# Altium PCB RUMBA_plus.PcbDoc (part 3 of 3)
Units mm, origin at the board's own origin, x right, y up, seen from the top; angles counter-clockwise.
Board outline 135 x 75 mm, 2 copper layers (Top Layer, Bottom Layer), stack 1.581 mm thick; 207 components, 187 nets, 895 pads, 260 vias.
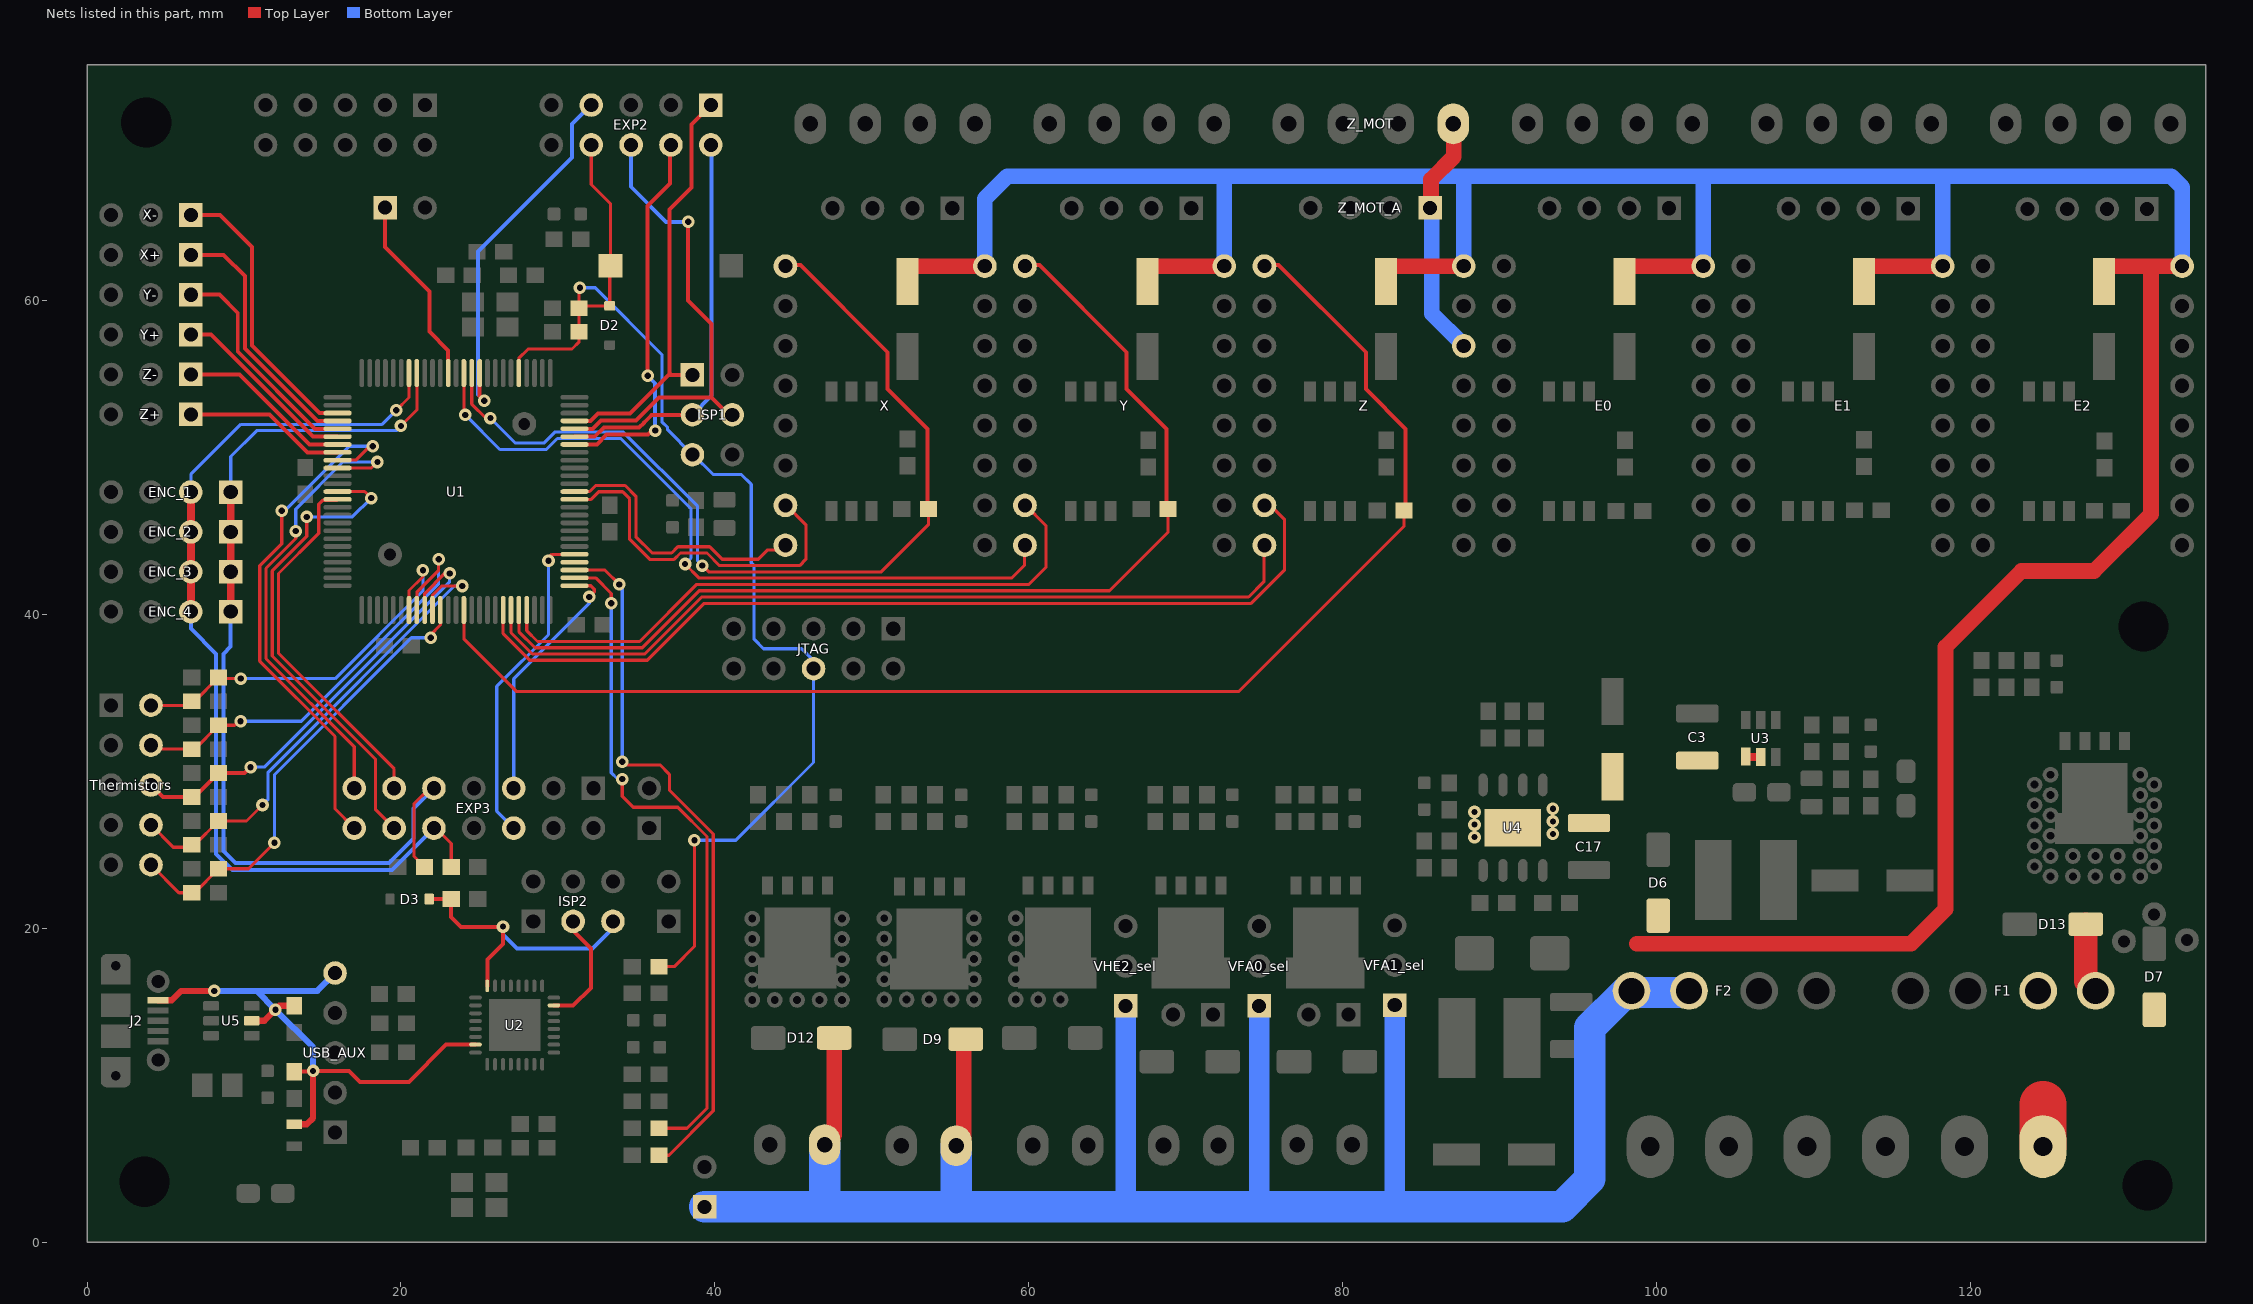
[diagram p3: the nets of this part, all layers, seen from the top]

## Via types
v1: diameter 0.8, hole 0.4, Top Layer to Bottom Layer, tented both sides, 227 vias
v2: diameter 0.7, hole 0.35, Top Layer to Bottom Layer, tented both sides, 31 vias
v3: diameter 1, hole 0.5, Top Layer to Bottom Layer, tented both sides, 1 vias
v4: diameter 1.4, hole 0.75, Top Layer to Bottom Layer, 1 vias

## Nets (pads, with @x,y where several pads share a name; then routed paths per layer and width w, separated by ;. In a path a pad name is that pad's centre, name@x,y a point inside that pad or via, vN(x,y) a via of type N, cw(c..) or ccw(c..) an arc to the next point about the centre after c; other vN are vias at no path point) (continued)
NetZ_14: Z.14 Z_MOT.4 Z_MOT_A.1 | length 15.5
  Top Layer w1: Z_MOT_A.1@85.626,65.87 85.626,67.699 87.081,69.154 Z_MOT.4@87.081,71.244
  Bottom Layer w1: Z_MOT_A.1@85.682,65.895 85.682,59.162 Z.14@87.679,57.165
PB1_(SCK): EXP2.2 ISP1.3 U1.20 | length 25.8
  Top Layer w0.254: U1.20@31.06,51.317 32.347,51.317 32.922,51.892 35.176,51.892 35.473,52.189 35.473,52.201 35.978,52.706 ISP1.3@38.571,52.706
  Bottom Layer w0.254: ISP1.3@38.571,52.706 39.8,53.936 39.8,69.847 EXP2.2@39.743,69.904
PB2_(MOSI): EXP2.6 ISP1.4 U1.21 | length 30.4
  Top Layer w0.254: U1.21@31.06,51.817 32.205,51.817 32.734,52.346 34.988,52.346 35.019,52.377 35.019,52.389 36.43,53.8 39.8,53.8 ; v1(38.3,65) 38.3,60 39.8,58.5 39.8,53.8 ; ISP1.4@41.111,52.706 40.894,52.706 39.8,53.8
  Bottom Layer w0.254: EXP2.6@34.663,69.904 34.663,67.237 36.9,65 v1(38.3,65)
PB3_(MISO): EXP2.1 ISP1.1 U1.22 | length 27.1
  Top Layer w0.254: U1.22@31.06,52.317 32.063,52.317 32.546,52.8 34.6,52.8 37.046,55.246 37.234,55.246 ; ISP1.1@38.571,55.246 37.234,55.246 ; EXP2.1@39.743,72.444 38.5,71.201 38.5,67.2 37.1,65.8 37.1,55.38 37.234,55.246
PC6: EXP3.14 U1.59 | length 33.7
  Top Layer w0.2: v1(12.4,46.6) 12.4,44.491 11,43.091 11,37.009 15.795,32.214 15.795,27.6 EXP3.14@17.022,26.373 ; U1.59@15.96,49.817 17.117,49.817 18,50.7 v1(18.2,50.7)
  Bottom Layer w0.2: v1(12.4,46.6) 12.4,46.4 16.7,50.7 v1(18.2,50.7)
PC7: EXP3.13 U1.60 | length 30
  Top Layer w0.2: v1(13.3,45.3) 13.3,44.825 11.4,42.925 11.4,37.175 17.022,31.553 EXP3.13@17.022,28.913 ; U1.60@15.96,49.317 18.117,49.317 v1(18.5,49.7)
  Bottom Layer w0.2: v1(13.3,45.3) 13.3,46.7 16.3,49.7 v1(18.5,49.7)
PJ0: EXP3.12 U1.63 | length 30.9
  Top Layer w0.2: v1(14,46.2) 14,44.96 11.8,42.76 11.8,37.34 18.368,30.772 18.368,27.567 EXP3.12@19.562,26.373 ; U1.63@15.96,47.817 17.683,47.817 v1(18.1,47.4)
  Bottom Layer w0.2: v1(14,46.2) 16.9,46.2 v1(18.1,47.4)
PJ1: EXP3.11 U1.64 | length 23.5
  Top Layer w0.2: U1.64@15.96,47.317 15.91,47.267 15.024,47.267 14.76,47.003 14.76,45.154 12.2,42.594 12.2,37.506 19.562,30.144 EXP3.11@19.562,28.913
PS_ON: PS_ON.1 U1.39 | length 12.2
  Top Layer w0.254: PS_ON.1@18.991,65.904 18.991,63.409 21.826,60.574 21.826,58 23.01,56.816 U1.39@23.01,55.367
PWM_1: EXP3.5 U1.1 | length 16.2
  Top Layer w0.2: U1.1@31.06,41.817 32.093,41.817 32.317,41.594 32.317,41.417 v1(32,41.1)
  Bottom Layer w0.2: EXP3.5@27.182,28.913 27.182,35.882 32,40.7 v1(32,41.1)
PWM_2: EXP3.6 U1.5 | length 20.8
  Top Layer w0.2: v1(29.4,43.4) 29.4,43.6 29.617,43.817 U1.5@31.06,43.817
  Bottom Layer w0.2: EXP3.6@27.182,26.373 26.1,27.455 26.1,35.4 29.4,38.7 v1(29.4,43.4)
RESET: C8.2 C16.1 D2.A EXP2.8 ISP1.5 JTAG.6 R11.1 Reset.2 U1.30 | length 80.4
  Top Layer w0.2: U1.30@27.51,55.367 27.51,56.31 28.1,56.9 30.9,56.9 31.35,57.35 R11.1@31.35,58 C8.2@31.35,59.5 ; v1(31.4,60.8) 31.35,60.75 C8.2@31.35,59.5 ; EXP2.8@32.123,69.904 32.123,67.377 33.35,66.15 Reset.2@33.35,62.2 33.3,62.15 D2.A@33.3,59.65 31.5,59.65 C8.2@31.35,59.5 ; C16.1@36.45,17.546 37.411,17.546 38.7,18.835 v1(38.7,25.6)
  Bottom Layer w0.2: v1(31.4,60.8) 32.379,60.8 36.627,56.552 36.627,52.263 36.99,51.9 36.99,51.747 ISP1.5@38.571,50.166 38.634,50.166 39.9,48.9 41.688,48.9 42.317,48.271 42.317,43.269 42.5,43.086 42.5,38.4 43.1,37.8 45.527,37.8 JTAG.6@46.794,36.533 ; v1(38.7,25.6) 41.333,25.6 46.286,30.554 JTAG.6@46.286,36.533
RESET2: D3.A ISP2.5 R12.1 U2.24 | length 19.2
  Top Layer w0.254: D3.A@21.8,21.85 R12.1@23.2,21.85 23.2,20.7 23.824,20.076 26.476,20.076 v1(26.5,20.1) 26.5,19 25.5,18 25.5,16.326 U2.24@25.498,16.324
  Bottom Layer w0.254: v1(26.5,20.1) 26.5,19.6 27.4,18.7 32.2,18.7 33.506,20.006 ISP2.5@33.506,20.429
SCK2: ISP2.3 U2.15 | length 7.5
  Top Layer w0.254: U2.15@29.748,15.074 30.974,15.074 32.1,16.2 32.1,18.711 30.966,19.845 ISP2.3@30.966,20.429
SCL: ENC_1.1 ENC_2.1 ENC_3.1 ENC_4.1 EXP3.9 R3.1 U1.43 | length 63.6
  Top Layer w0.2: v1(20,52) 21.01,53.01 U1.43@21.01,55.367 ; R3.1@21.504,23.909 20.832,24.581 20.832,27.922 21.822,28.913 EXP3.9@22.102,28.913
  Top Layer w0.5: ENC_4.1@9.152,40.165 ENC_3.1@9.152,42.705 ENC_2.1@9.152,45.245 ENC_1.1@9.152,47.785
  Bottom Layer w0.2: ENC_1.1@9.152,47.785 9.152,50.052 10.8,51.7 19.7,51.7 v1(20,52) ; EXP3.9@22.102,28.862 EXP3.9@22.102,28.913
  Bottom Layer w0.254: ENC_4.1@9.152,40.165 9.152,37.952 8.681,37.481 8.681,24.919 9.446,24.154 19.241,24.154 20.8,25.713 20.8,27.611 EXP3.9@22.102,28.913
SD_CSEL: EXP2.4 U1.19 | length 24.5
  Top Layer w0.254: U1.19@31.06,50.817 32.489,50.817 33.11,51.438 35.744,51.438 36.006,51.7 v1(36.2,51.7) ; v1(35.716,55.2) 35.716,66.016 37.142,67.442 37.142,69.844 EXP2.4@37.203,69.904
  Bottom Layer w0.254: v1(35.716,55.2) 36.2,54.716 v1(36.2,51.7)
SD_DET: EXP2.7 U1.35 | length 23.6
  Top Layer w0.254: U1.35@25.01,54.9 25.01,53.89 v1(25.3,53.6) v1@25.1,53.6
  Bottom Layer w0.254: v1(25.3,53.6) 24.9,54 24.9,63.1 30.9,69.1 30.9,71.221 EXP2.7@32.123,72.444
SDA: ENC_1.2 ENC_2.2 ENC_3.2 ENC_4.2 EXP3.10 R2.1 U1.44 | length 61
  Top Layer w0.2: v1(19.7,53) 20.51,53.81 U1.44@20.51,55.367 ; EXP3.10@22.102,26.373 22.229,26.373 23.208,25.394 R2.1@23.208,23.909
  Top Layer w0.5: ENC_4.2@6.612,40.165 ENC_3.2@6.612,42.705 ENC_2.2@6.612,45.245 ENC_1.2@6.612,47.785
  Bottom Layer w0.2: ENC_1.2@6.612,47.785 6.612,48.912 9.8,52.1 18.8,52.1 v1(19.7,53) ; EXP3.10@21.827,26.373 EXP3.10@22.102,26.373
  Bottom Layer w0.254: ENC_4.2@6.612,40.165 6.612,39.088 8.227,37.473 8.227,24.731 9.258,23.7 19.429,23.7 EXP3.10@22.102,26.373
THERM0: C29.1 R43.2 Thermistors.2 U1.82 | length 24.4
  Top Layer w0.2: Thermistors.2@4.072,34.196 6.168,34.196 C29.1@6.422,34.45 ; C29.1@6.676,34.45 6.852,34.45 R43.2@8.376,35.974 8.45,35.9 v1(9.8,35.9) ; U1.82@20.5,40.277 U1.82@20.51,40.267 20.51,41.51 21.4,42.4 v1(21.4,42.8)
  Bottom Layer w0.2: v1(9.8,35.9) 15.803,35.9 21.4,41.497 v1(21.4,42.8)
THERM1: C28.1 R42.2 Thermistors.4 U1.83 | length 28.5
  Top Layer w0.2: Thermistors.4@4.072,31.656 4.326,31.402 C28.1@6.676,31.402 6.852,31.402 R42.2@8.376,32.926 9.399,32.926 9.653,33.18 v1(9.78,33.18) ; U1.83@21.01,40.267 21.01,41.41 22.4,42.8 v1(22.4,43.5)
  Bottom Layer w0.2: v1@10.004,33.404 v1(9.78,33.18) 13.649,33.18 22.4,41.931 v1(22.4,43.5)
THERM2: C27.1 R41.2 Thermistors.6 U1.84 | length 28.7
  Top Layer w0.2: U1.84@21.51,40.267 21.51,41.31 22.8,42.6 v1(23.1,42.6)
  Top Layer w0.254: Thermistors.6@4.072,29.116 4.834,28.354 C27.1@6.422,28.354 ; C27.1@6.676,28.354 6.852,28.354 R41.2@8.376,29.878 10.034,29.878 v1(10.415,30.259)
  Bottom Layer w0.2: v1(10.415,30.259) 11.293,30.259 23.1,42.066 v1(23.1,42.6)
  Bottom Layer w0.254: v1(10.415,30.259) v1@10.542,30.386
THERM3: C26.1 R40.2 Thermistors.8 U1.85 | length 31.1
  Top Layer w0.2: Thermistors.8@4.072,26.576 5.494,25.154 6.27,25.154 C26.1@6.422,25.306 ; C26.1@6.676,25.306 6.852,25.306 R40.2@8.376,26.83 10.161,26.83 v1(11.177,27.846) ; U1.85@22.01,40.267 22.01,41.21 22.6,41.8 v1(23.9,41.8)
  Bottom Layer w0.2: v1(11.177,27.846) 11.539,28.208 11.539,29.939 23.4,41.8 v1(23.9,41.8)
THERM4: C9.1 R54.2 Thermistors.10 U1.86 | length 29.6
  Top Layer w0.2: Thermistors.10@4.072,24.036 5.85,22.258 C9.1@6.422,22.258 ; C9.1@6.676,22.258 6.852,22.258 R54.2@8.376,23.782 10.288,23.782 v1(11.939,25.433) ; v1(21.9,38.5) 21.9,38.7 22.51,39.31 U1.86@22.51,40.267
  Bottom Layer w0.2: v1(11.939,25.433) 11.939,29.773 20.666,38.5 v1(21.9,38.5)
"USB RXD": R18.2 U1.2 | length 43.5
  Top Layer w0.2: U1.2@31.06,42.317 32.4,42.317 33.4,41.317 v1(33.4,40.7) ; v1(34.1,29.5) 34.1,28.4 34.8,27.7 37.634,27.7 39.5,25.834 39.5,8.523 38.228,7.251 R18.2@36.434,7.251
  Bottom Layer w0.2: v1(33.4,40.7) 33.4,29.9 33.8,29.5 v1(34.1,29.5)
USB_TXD: R17.2 U1.3 | length 45.2
  Top Layer w0.2: U1.3@31.06,42.817 32.983,42.817 v1(33.9,41.9) ; v1(34.1,30.6) 34.3,30.4 36.5,30.4 37.1,29.8 37.1,28.8 39.9,26 39.9,8.357 37.074,5.531 R17.2@36.434,5.531
  Bottom Layer w0.2: v1(33.9,41.9) 34.1,41.7 v1(34.1,30.6)
USB_XCK: U1.4
USBVCC: C11.2 F3.1 J2.VBUS R4.2 U2.31 U5.5 USB_AUX.5 | length 39.1
  Top Layer w0.254: R4.2@13.2,10.85 14.35,10.85 v1(14.4,10.9) 16.7,10.9 17.4,10.2 20.5,10.2 22.874,12.574 U2.31@24.748,12.574
  Top Layer w0.4: J2.VBUS@4.525,15.4 5.4,15.4 6,16 v1(8.1,16) ; U5.5@10.4,14.1 U5.5@10.5,14.1 11.3,14.1 v1(12,14.8) 12.25,15.05 C11.2@13.2,15.05 C11.2@13.3,15.05 ; F3.1@13.2,7.5 14,7.5 14.4,7.9 v1(14.4,10.9)
  Bottom Layer w0.4: v1(8.1,16) 10.8,16 ; v1(14.4,10.9) 14.4,12.4 v1(12,14.8) 10.8,16 ; USB_AUX.5@15.8,17.14 14.66,16 10.8,16
VIN1: C1.1 C3.2 C17.2 C21.1 C22.1 C23.1 C24.1 C25.1 C30.1 D6.K D9.K D12.K E0.16 E1.16 E2.16 F2.1 HE0.1 HE1.1 PWR.1 U3.4 U3.5 U4.9 VFA0_sel.1 VFA1_sel.1 VHE2_sel.1 X.16 Y.16 Z.16 | length 347.8
  Top Layer w0.5: U3.4@105.665,30.897 U3.5@106.636,30.897
  Top Layer w1: HE0.1@46.994,6.205 47.6,6.811 D12.K@47.6,13 ; C21.1@52.374,61.21 52.374,62.176 X.16@57.199,62.176 ; HE1.1@55.376,6.129 55.85,6.603 D9.K@55.85,13 ; C22.1@67.665,61.21 67.665,62.165 67.676,62.176 Y.16@72.439,62.176 ; C23.1@82.956,61.21 82.956,62.176 Z.16@87.679,62.176 ; U4.9@90.45,26.5 U4.9@90.55,26.4 ; C24.1@98.085,61.216 98.085,62.176 E0.16@102.911,62.176 ; 98.758,19 116.211,19 118.412,21.202 118.412,37.912 123.25,42.75 127.877,42.75 131.5,46.373 131.5,62.176 ; C25.1@113.325,61.216 113.325,62.176 E1.16@118.151,62.176 ; C30.1@128.665,61.216 128.665,62.176 131.5,62.176 ; E2.16@133.491,62.176 131.5,62.176
  Bottom Layer w1: X.16@57.199,62.176 57.199,66.47 58.631,67.902 72.5,67.902 ; Y.16@72.457,62.176 72.457,67.859 72.5,67.902 ; Z.16@87.716,62.176 87.716,67.802 87.815,67.902 ; E0.16@102.974,62.176 102.974,67.876 103,67.902 ; E1.16@118.232,62.176 118.232,67.869 118.2,67.902 ; 132.697,67.902 118.2,67.902 ; 132.797,67.902 133.491,67.208 E2.16@133.491,62.176 ; 72.5,67.902 87.815,67.902 ; 87.815,67.902 103,67.902 ; 103,67.902 118.2,67.902
  Bottom Layer w1.3: 66.171,2.344 VHE2_sel.1@66.171,15.044 ; 74.68,2.497 VFA0_sel.1@74.68,15.044 ; 83.316,2.25 VFA1_sel.1@83.316,15.095
  Bottom Layer w2: PWR.1@39.348,2.243 74.426,2.243 ; 46.994,2.878 HE0.1@46.994,6.205 ; 55.376,2.929 HE1.1@55.376,6.129 ; 74.68,2.497 74.426,2.243 ; 83.265,2.243 74.426,2.243 ; 83.316,2.25 93.986,2.25 95.75,4.014 95.75,13.65 98,15.9 F2.1@102.065,15.9
  other v1: 88.4,25.8 93.4,26 88.4,26.6 93.4,26.8 88.4,27.4 93.4,27.6
VIN2: D7.K D13.K F1.1 HB-OUT.2 | length 7.2
  Top Layer w1.5: D13.K@127.35,20.254 127.35,16.629 F1.1@127.975,16.004
  Top Layer w3: HB-OUT.2@124.616,6.078 124.616,8.757
X-DIR: U1.13 X.8 | length 17.8
  Top Layer w0.2: U1.13@31.06,47.817 32.017,47.817 32.4,48.2 34.286,48.2 34.97,47.516 34.97,44.94 36.01,43.9 37.244,43.9 37.644,44.3 39.665,44.3 40.465,43.5 42.766,43.5 43.366,44.1 44.135,44.1 X.8@44.499,44.465
X-EN: R21.2 U1.36 X.1 | length 60.3
  Top Layer w0.2: U1.36@24.51,55.367 24.51,53.39 25.4,52.5 v1(25.7,52.5) ; v1(39.2,43.1) 39.6,42.7 43.7,42.7 50.6,42.7 53.606,45.706 R21.2@53.606,46.708
  Top Layer w0.254: X.1@44.499,62.245 45.442,62.245 50.994,56.693 50.994,54.356 53.534,51.816 53.534,46.877 R21.2@53.31,46.653
  Bottom Layer w0.2: v1(25.7,52.5) 27.3,50.9 29.1,50.9 29.8,51.6 34.174,51.6 38.9,46.873 38.9,43.4 v1(39.2,43.1)
X-MAX: U1.54 X+.1 | length 16.4
  Top Layer w0.254: X+.1@6.612,62.898 8.702,62.898 10.054,61.546 10.054,56.93 14.667,52.317 U1.54@15.96,52.317
X-MIN: U1.53 X-.1 | length 18.3
  Top Layer w0.254: X-.1@6.612,65.438 8.462,65.438 10.508,63.392 10.508,57.118 14.809,52.817 U1.53@15.96,52.817
X-STEP: U1.12 X.7 | length 22.9
  Top Layer w0.2: U1.12@31.06,47.317 32.117,47.317 32.6,47.8 34.12,47.8 34.57,47.35 34.57,44.774 35.847,43.497 37.407,43.497 37.81,43.9 39.5,43.9 40.3,43.1 45.4,43.1 45.8,43.5 45.8,45.704 X.7@44.499,47.005
Y-DIR: U1.37 Y.8 | length 47.5
  Top Layer w0.2: U1.37@24.01,55.367 24.01,52.79 v1(24.1,52.7) ; v1(38.1,43.2) 39,42.3 58.9,42.3 59.739,43.139 Y.8@59.739,44.465
  Bottom Layer w0.2: v1(24.1,52.7) 26.3,50.5 29.266,50.5 29.966,51.2 34.008,51.2 38.475,46.733 38.475,43.575 v1(38.1,43.2)
Y-EN: R23.2 U1.96 Y.1 | length 67.7
  Top Layer w0.2: U1.96@27.51,40.267 27.51,38.893 28.536,37.867 35.37,37.867 39.003,41.5 65.147,41.5 68.871,45.224 R23.2@68.871,46.708
  Top Layer w0.254: Y.1@59.739,62.245 60.682,62.245 66.234,56.693 66.234,54.356 68.774,51.816 68.774,46.877 R23.2@68.55,46.653
Y-MAX: U1.56 Y+.1 | length 12
  Top Layer w0.254: Y+.1@6.612,57.818 7.882,57.818 14.383,51.317 U1.56@15.96,51.317
Y-MIN: U1.55 Y-.1 | length 14.3
  Top Layer w0.254: Y-.1@6.612,60.358 8.442,60.358 9.6,59.2 9.6,56.742 14.525,51.817 U1.55@15.96,51.817
Y-STEP: U1.97 Y.7 | length 41.3
  Top Layer w0.2: U1.97@28.06,40.217 U1.97@28.01,40.267 28.01,38.959 28.702,38.267 35.204,38.267 38.837,41.9 60.016,41.9 61.1,42.984 61.1,45.644 Y.7@59.739,47.005
Z-DIR: U1.95 Z.8 | length 54.3
  Top Layer w0.2: U1.95@27.01,40.267 27.01,38.827 28.37,37.467 35.536,37.467 39.169,41.1 74.011,41.1 74.979,42.068 Z.8@74.979,44.465
Z-EN: R25.2 U1.89 Z.1 | length 88.5
  Top Layer w0.2: U1.89@24.01,40.267 24.01,38.433 27.376,35.067 73.367,35.067 83.908,45.608 R25.2@83.908,46.606
  Top Layer w0.254: Z.1@74.979,62.245 75.922,62.245 81.474,56.693 81.474,54.356 84.014,51.816 84.014,46.877 R25.2@83.79,46.653
Z-MAX: U1.58 Z+.1 | length 10.4
  Top Layer w0.254: Z+.1@6.612,52.738 11.62,52.738 14.041,50.317 U1.58@15.96,50.317
Z-MIN: U1.57 Z-.1 | length 11.2
  Top Layer w0.254: Z-.1@6.612,55.278 9.722,55.278 14.183,50.817 U1.57@15.96,50.817
Z-STEP: U1.94 Z.7 | length 59.3
  Top Layer w0.2: U1.94@26.51,40.267 26.51,38.762 28.205,37.067 35.701,37.067 39.326,40.692 74.169,40.692 76.3,42.823 76.3,46.016 Z.7@75.312,47.005
  Top Layer w0.254: Z.7@74.979,47.005 Z.7@75.312,47.005
pads on no net: C2.0 C3.0 C17.0 C35.0 C36.0 D2.0 D3.0 D6.0 D7.0 D8.0 D9.0 D10.0 D11.0 D12.0 D13.0 D14.0 J2.4 J2.5 J2.6 J2.7 J2.ID JTAG.8 LD1.0 LD2.0 LD3.0 LD4.0 LD5.0 LD6.0 LD7.0 LD8.0 LD9.0 LD10.0 LED1.0 RX.0 sc1.0 sc2.0 sc3.0 sc4.0 TX.0 U1.8 U1.9 U1.14 U1.23 U1.27 U1.28 U1.29 U1.47 U1.48 U1.49 U1.65 U1.66 U1.67 U1.68 U1.69 U1.79 U2.5 U2.6 U2.7 U2.12 U2.14 U2.18 U2.19 U2.20 U2.21 U2.22 U2.23 U2.25 U2.26 U5.0 U5.4 U5.6

## Polygon pours and split planes (outlines as drawn)
NetD11_A on Bottom Layer "NETD11_A_L02_P1000" (solid, remove dead copper, pour order 1000): 83.011,3.2 74.858,3.2 74.858,21.471 83.011,21.471
NetD10_A on Bottom Layer "NETD10_A_L02_P1001" (solid, remove dead copper, pour order 1001): 74.502,3.2 66.349,3.2 66.349,21.471 74.502,21.471
VIN1 on Bottom Layer "VIN1_L02_P1006" (solid, remove dead copper, pour order 1006): 86.8,23 86.8,30.9 94.4,30.9 94.4,23
NetD13_A on Bottom Layer "Bottom Layer-No Net" (solid, remove dead copper, pour order 1009): 134.85,30.481 134.85,4.86 134.85,0 117.8,0 117.8,8.4 120.099,10.699 120.099,28.499 122.081,30.481
NetD14_A on Bottom Layer "NETD14_A_L02_P1011" (solid, remove dead copper, pour order 1011): 66.171,3.2 58.017,3.2 58.017,21.471 66.171,21.471
NetD9_A on Bottom Layer "NETD9_A_L02_P1012" (solid, pour order 1012): 57.763,3.3 49.534,3.3 49.534,21.471 57.763,21.471
NetD12_A on Bottom Layer "NETD12_A_L02_P1013" (solid, pour order 1013): 49.331,3.1 41.431,3.1 41.431,21.445 49.331,21.445
VIN1 on Bottom Layer "VIN1_L02_P1035" (solid, remove dead copper, pour order 1035): 86.8,25.2 86.8,30.9 94.4,30.9 94.4,23.358 94.042,23 89,23
GND on Bottom Layer "Bottom Layer-No Net" (solid, remove dead copper, pour order 1053): 0,75 135,75 135,0 0,0
VIN2 on Top Layer "Bottom Layer-GND" (solid, remove dead copper, pour order 1002): 123,17.7 123,3.374 129.048,3.374 129,4 130.89,7.112 130.89,7.239 132.668,7.239 134.065,5.842 134.192,5.715 135,5.715 135,18.2 123.5,18.2
NetF1_0 on Top Layer "NETF1_0_L01_P1003" (solid, pour order 1003): 112.9,3.374 112.9,18.2 120.7,18.2 121.2,17.7 121.2,14.2 116.4,9.4 116.4,3.374
NetD13_A on Top Layer "Bottom Layer-No Net" (solid, remove dead copper, pour order 1010): 134.85,30.481 134.85,15.621 128.873,15.621 128.604,16.313 123.397,16.313 123.397,3.374 116.626,3.374 116.611,9.289 116.611,29.351 117.741,30.481
NetD12_A on Top Layer "Bottom Layer-No Net" (solid, remove dead copper, pour order 1014): 48.947,7.805 41.431,7.805 41.431,21.445 48.947,21.445
NetD9_A on Top Layer "Bottom Layer-No Net" (solid, remove dead copper, pour order 1015): 57.335,7.805 49.9,7.805 49.9,21.471 57.335,21.471
NetD14_A on Top Layer "Bottom Layer-No Net" (solid, pour order 1016): 66.12,7.805 58.3,7.805 58.3,21.471 66.12,21.471
NetD10_A on Top Layer "Bottom Layer-No Net" (solid, pour order 1017): 74.578,7.805 66.272,7.805 66.272,21.471 74.578,21.471
NetD11_A on Top Layer "Bottom Layer-No Net" (solid, pour order 1019): 82.732,7.805 74.68,7.805 74.68,21.471 82.732,21.471
GND on Top Layer "Bottom Layer-No Net" (solid, pour order 1021): 130.386,31.935 130.386,33.586 129.725,34.247 127.262,34.247 127.338,34.247 126.754,33.663 126.754,33.586 126.754,31.935
GND on Top Layer "Bottom Layer-No Net" (solid, pour order 1023): 47.73,22.741 47.73,24.392 47.07,25.052 44.606,25.052 44.682,25.052 44.098,24.468 44.098,24.392 44.098,22.741
GND on Top Layer "Bottom Layer-No Net" (solid, pour order 1025): 56.138,22.69 56.138,24.341 55.477,25.001 53.014,25.001 53.09,25.001 52.506,24.417 52.506,24.341 52.506,22.69
GND on Top Layer "Bottom Layer-No Net" (solid, pour order 1027): 64.317,22.664 64.317,24.315 63.656,24.976 61.192,24.976 61.269,24.976 60.684,24.392 60.684,24.315 60.684,22.664
GND on Top Layer "Bottom Layer-No Net" (solid, pour order 1029): 72.775,22.766 72.775,24.417 72.114,25.077 69.651,25.077 69.727,25.077 69.143,24.493 69.143,24.417 69.143,22.766
GND on Top Layer "Bottom Layer-No Net" (solid, pour order 1031): 81.385,22.766 81.385,24.417 80.725,25.077 78.261,25.077 78.337,25.077 77.753,24.493 77.753,24.417 77.753,22.766
NetC18_1 on Top Layer "NETC18_1_L01_P1039" (solid, pour order 1039): 107.961,29.111 106.105,27.505 103.647,27.505 102.108,25.966 102.108,19.794 105.501,19.794 105.501,26.362 107.248,26.362 108.326,27.44 108.326,29.111
5V_DCDC on Top Layer "5V_DCDC_L01_P1041" (solid, pour order 1041): 105.659,19.756 105.659,27.124 106.548,28.013 114.2,28.013 115.216,29.029 117.9,29.029 117.9,25.6 112.898,25.6 112.898,19.756
NetC33_2 on Top Layer "NETC33_2_L01_P1043" (solid, remove dead copper, pour order 1043): 85.785,9.852 89.715,9.852 89.715,20.285 89.4,20.6 89.4,24.75 87.4,24.75 87.4,23 85.785,23
NetF2_0 on Top Layer "NETF2_0_L01_P1045" (solid, pour order 1045): 103,3.374 103,11.5 104.5,13 104.5,17.75 105.05,18.3 111.6,18.3 111.6,14.2 106.25,8.85 106.25,3.374
VIN1 on Top Layer "VIN1_L01_P1047" (solid, pour order 1047): 87.732,24.396 87.732,28.396 93.25,28.396 93.25,32.228 100.005,32.228 106.929,32.228 106.929,29.604 101.985,29.604 99.06,26.678 99.06,22.74 101.854,22.74 101.854,18.7 104.9,18.7 104,17.8 104,13.5 96.9,13.5 96.9,17.15 97.277,17.527 97.277,25.346 96.874,25.75 93.95,25.75 93.25,25.05 93.25,24.396
+12V on Top Layer "Component Side-+12V" (solid, pour order 1049): 83.1,13.741 83.1,3 89.715,3 89.715,6.808 90.672,7.765 92.995,7.765 96.642,11.412 96.642,13.896 93.732,13.896 93.732,16 89.715,16 89.715,13.741
GND on Top Layer "Bottom Layer-No Net" (solid, remove dead copper, pour order 1051): -0.001,74.785 135,74.785 135,27.408 122.635,15.978 130.1,0 119.841,0 -0.222,-0.09

## Keep-outs
Keep-Out Layer:
  circle w0.2: c3.773,71.325 r3.5
  circle w0.2: c3.665,3.843 r3.5
  circle w0.2: c131.275,3.614 r3.5
  circle w0.2: c131.021,39.225 r3.5
  lines w0.2: -0.083,7.343 3.665,7.343 ; 0.025,67.825 3.773,67.825 ; 7.165,0.095 7.165,3.843 ; 7.273,71.325 7.273,75.073 ; 127.775,0 127.775,3.614 ; 131.021,35.725 134.769,35.725 ; 131.021,42.725 134.769,42.725 ; 131.275,7.114 135.023,7.114
  lines w0.254: 0,0 135,0 135,75 0,75 0,0

## Other copper
Top Layer:
  rectangle net GND: 126.652,32.062 131.605,34.704
  pour cut-out: 104.5,13 104.5,17.75 104,17.75 104,12.5
Bottom Layer:
  rectangle net GND: 43.235,23.246 82.325,25.56
  rectangle net GND: 126.093,32.52 131.021,35.161

## Silkscreen, mask and mechanical layers (free items; w line width, h text height)
Top Overlay:
  drawing of 75 lines, arcs and shapes, not listed
  text "v" at 42.273,73.134 h1.52 r270
  text "v" at 23.934,72.982 h1.52 r270
  text "S" at 6.205,67.114 h1
  text "+" at 1.125,67.089 h1
  text "-" at 3.691,67.089 h1
  text "1B" at 76.919,63.228 h1
  text "1A" at 79.484,63.228 h1
  text "2A" at 81.948,63.228 h1
  text "2B" at 84.615,63.228 h1
  text "1B" at 92.006,63.228 h1
  text "1A" at 94.572,63.228 h1
  text "2A" at 97.036,63.228 h1
  text "2B" at 99.703,63.228 h1
  text "1B" at 107.246,63.228 h1
  text "1A" at 109.812,63.228 h1
  text "2A" at 112.276,63.228 h1
  text "2B" at 114.943,63.228 h1
  text "1B" at 61.653,63.203 h1
  text "1A" at 64.219,63.203 h1
  text "2A" at 66.683,63.203 h1
  text "2B" at 69.35,63.203 h1
  text "1B" at 122.561,63.203 h1
  text "1A" at 125.126,63.203 h1
  text "2A" at 127.59,63.203 h1
  text "2B" at 130.257,63.203 h1
  text "1B" at 46.388,63.177 h1
  text "1A" at 48.953,63.177 h1
  text "2A" at 51.417,63.177 h1
  text "2B" at 54.084,63.177 h1
  text "Endstops" at 11.51,62.898 h1 r270
  text "v" at 36.91,54.738 h1.52 r90
  text "D" at 6.206,49.461 h1
  text "C" at 8.746,49.461 h1
  text "+" at 1.126,49.436 h1
  text "-" at 3.691,49.436 h1
  text "I2C" at 11.123,49.053 h1 r270
  text "PWR" at 36.735,43.266 h1
  text "HB" at 124.722,38.641 h1
  text "1B Green" at 68.156,37.727 h1
  text "1A Yellow" at 68.156,36.169 h1
  text "2A Grey" at 68.156,34.611 h1
  text "5V_DCDC" at 105.104,34.392 h1
  text "Thermistors" at 13.106,34.323 h1 r270
  text "T0" at 9.796,33.688 h1
  text "2B Red" at 68.156,33.053 h1
  text "T1" at 9.796,31.148 h1
  text "v" at 31.754,30.919 h1.52
  text "12V" at 84.8,30.4 h1
  text "HE0" at 45.775,29.954 h1
  text "HE1" at 54.03,29.954 h1
  text "HE2" at 61.98,29.954 h1
  text "FAN1" at 78.363,29.954 h1
  text "FAN0" at 69.803,29.929 h1
  text "_" at 37.659,29.047 h1
  text "T2" at 9.796,28.608 h1
  text "T3" at 9.796,26.068 h1
  text "12V" at 37.666,25.83 h1
  text "TB" at 9.796,23.528 h1
  text "_" at 38.944,23.172 h1
  text "12V-Select" at 83.849,22.156 h1 r90
  text "12V-Select" at 66.704,22.131 h1 r90
  text "12V-Select" at 75.137,22.131 h1 r90
  text "v" at 26.765,19.921 h1.52 r90
  text "5V" at 38.911,19.886 h1
  text "USB" at 8,17 h1
  text "PWR" at 83.849,10.701 h1 r90
  text "PWR" at 66.704,10.65 h1 r90
  text "PWR" at 75.137,10.65 h1 r90
  text "v" at 16.281,5.51 h1.52 r180
  text "USB / PWR" at 8.6,4.9 h1
  text "_" at 36.9,4.5 h1
  text "12V..35V" at 96.5,2.6 h1 r90
  text "PWR" at 34.9,1.7 h1
  text "-" at 42.796,0.541 h2
  text "-" at 76.4,0.541 h2
  text "-" at 59.56,0.49 h2
  text "-" at 67.891,0.49 h2
  text "-" at 51.178,0.465 h2
  text "+" at 46.428,0.414 h2
  text "+" at 80.033,0.414 h2
  text "+" at 63.192,0.363 h2
  text "+" at 71.524,0.363 h2
  text "+" at 54.81,0.338 h2
  text "-" at 98.939,-0.013 h2
  text "+" at 103.919,-0.013 h2
  text "-" at 108.921,-0.013 h2
  text "+" at 113.901,-0.013 h2
  text "-" at 118.954,-0.013 h2
  text "+" at 123.934,-0.013 h2
Bottom Overlay:
  lines w0.203: 56.396,26.373 80.602,26.373 ; 56.624,41.486 80.602,41.486
  text "BOARD MODEL" at 80.576,39.759 h1.02
  text "RUMBA+" at 80.449,37.803 h1.4
  text "V1.4.2A" at 63.2,37.371 h1.02
  text "....................................................." at 80.449,36.99 h0.55 r180
  text "OPEN SOURCE" at 80.5,34.933 h1.07
  text "3D PRINTER ELECTRONICS" at 80.5,33.307 h1.02
  text "....................................................." at 80.449,32.494 h0.55 r180
  text "WWW.AUS3D.COM.AU" at 80.5,30.513 h1.02
  text "....................................................." at 80.449,29.649 h0.55 r180
  text "DESIGNED IN AUSTRALIA" at 80.5,27.465 h1.02
Top Solder:
  text "A" at 53.246,39.349 h1.4
  text "RUMBA+" at 53.246,35.639 h3.6
Mechanical 2:
  lines w0.5: -30,-30 -30,110 175,110 175,-30 -30,-30
  text "RUMBA+ .ProjectStringVersion" at 143.421,-24.146 h2
  text "DIMENSION DRAWING" at 137.423,-27 h2
Mechanical 4:
  the board outline again, w0.254
Mechanical 16:
  drawing of 592 lines, arcs and shapes, not listed
  text "PS_ON" at 37.701,102.5 h1.2
  text "EXP1" at 13.001,102.4 h1.2
  text "GND" at 1.401,98.4 h1.2
  text "D41" at 7.6,98.4 h1.2
  text "D18" at 13.5,98.4 h1.2
  text "D42" at 19.401,98.4 h1.2
  text "D44" at 25.401,98.4 h1.2
  text "GND" at 35.901,98.4 h1.2
  text "D45" at 41.901,98.4 h1.2
  text "DRV" at 56.847,93.622 h1.2
  text "+5V" at 1.401,93.4 h1.2
  text "D40" at 7.401,93.4 h1.2
  text "D38" at 13.401,93.4 h1.2
  text "D19" at 19.5,93.4 h1.2
  text "D43" at 25.401,93.4 h1.2
  text "STEPPER  MOTOR PINOUT" at 141.5,93.036 h1.2
  text "ISP" at 39,92.9 h1.2
  text "X" at 65.347,92.622 h1.2
  text "Y" at 77.347,92.622 h1.2
  text "Z" at 89.347,92.622 h1.2
  text "E0" at 101.347,92.622 h1.2
  text "E1" at 113.347,92.622 h1.2
  text "E2" at 125.347,92.622 h1.2
  text "PIN" at 50.347,91.622 h1.2
  text "1B" at 143.6,89.9 h1.2
  text "1A" at 149.6,89.9 h1.2
  text "2A" at 155.5,89.9 h1.2
  text "2B" at 161.5,89.9 h1.2
  text "+5V" at 41.901,88.9 h1.2
  text "EXP2" at 12.801,87.9 h1.2
  text "D50 / MISO" at 34.547,87.622 h1.2
  text "ENABLE" at 53.347,87.622 h1.2
  text "D48" at 65.347,87.622 h1.2
  text "D55" at 77.347,87.622 h1.2
  text "D62" at 89.347,87.622 h1.2
  text "D24" at 101.347,87.622 h1.2
  text "D27" at 113.347,87.622 h1.2
  text "D39" at 125.347,87.622 h1.2
  text "GND" at 1.401,83.9 h1.2
  text "D49" at 7.401,83.9 h1.2
  text "D12" at 13.5,83.9 h1.2
  text "D11" at 19.7,83.9 h1.2
  text "D50 / MISO" at 24.647,82.622 h1.2
  text "D52 / SCK" at 34.447,82.622 h1.2
  text "D51 / MOSI" at 41.247,82.622 h1.2
  text "DIRECTION" at 51.748,82.622 h1.2
  text "D16" at 65.347,82.622 h1.2
  text "D47" at 77.347,82.622 h1.2
  text "D56" at 89.347,82.622 h1.2
  text "D22" at 101.347,82.622 h1.2
  text "D25" at 113.347,82.622 h1.2
  text "D28" at 125.347,82.622 h1.2
  text "STEPPER DRIVER SOCKET PINOUT" at 138.5,82.049 h1.2
  text "LEFT" at 138.048,79.299 h1.2
  text "RIGHT" at 156.048,79.299 h1.2
  text "D46" at 1.401,78.9 h1.2
  text "RST" at 7.401,78.9 h1.2
  text "D53" at 19.401,78.9 h1.2
  text "RST" at 35.901,78.9 h1.2
  text "GND" at 41.901,78.9 h1.2
  text "D51 / MOSI" at 12.747,77.622 h1.2
  text "D52 / SCK" at 25.147,77.622 h1.2
  text "STEP" at 53.347,77.622 h1.2
  text "D17" at 65.347,77.622 h1.2
  text "D54" at 77.347,77.622 h1.2
  text "D57" at 89.347,77.622 h1.2
  text "D23" at 101.347,77.622 h1.2
  text "D26" at 113.347,77.622 h1.2
  text "D29" at 125.347,77.622 h1.2
  text "ENDSTOPS" at -15.599,75.9 h1.2
  text "X-MIN" at -26.699,72.9 h1.2
  text "+5V" at -18.599,72.9 h1.2
  text "GND" at -12.599,72.9 h1.2
  text "D37" at -6.599,72.9 h1.2
  text "ENABLE" at 140.847,72.622 h1.2
  text "VMOT" at 158.847,72.622 h1.2
  text "X-MAX" at -26.799,69.9 h1.2
  text "+5V" at -18.599,69.9 h1.2
  text "GND" at -12.599,69.9 h1.2
  text "D36" at -6.599,69.9 h1.2
  text "MS1" at 139.947,67.622 h1.2
  text "GND" at 158.847,67.622 h1.2
  text "Y-MIN" at -26.699,66.9 h1.2
  text "+5V" at -18.599,66.9 h1.2
  text "GND" at -12.599,66.9 h1.2
  text "D35" at -6.599,66.9 h1.2
  text "Y-MAX" at -26.799,63.9 h1.2
  text "+5V" at -18.599,63.9 h1.2
  text "GND" at -12.599,63.9 h1.2
  text "D34" at -6.599,63.9 h1.2
  text "2B" at 158.847,62.622 h1.2
  text "MS2" at 140.347,62.522 h1.2
  text "Z-MIN" at -26.699,60.9 h1.2
  text "+5V" at -18.599,60.9 h1.2
  text "GND" at -12.599,60.9 h1.2
  text "D33" at -6.599,60.9 h1.2
  text "Z-MAX" at -26.799,57.9 h1.2
  text "+5V" at -18.599,57.9 h1.2
  text "GND" at -12.599,57.9 h1.2
  text "D32" at -6.599,57.9 h1.2
  text "MS3" at 138.5,56.597 h1.2
  text "2A" at 156.5,56.597 h1.2
  text "1A" at 158.847,52.622 h1.2
  text "RESET" at 139.847,52.422 h1.2
  text "I2C" at -15.5,50.4 h1.2
  text "SLEEP" at 140.247,47.622 h1.2
  text "1B" at 158.847,47.622 h1.2
  text "+5V" at -24.599,47.4 h1.2
  text "GND" at -18.599,47.4 h1.2
  text "SDA" at -12.599,47.4 h1.2
  text "SCL" at -6.599,47.4 h1.2
  text "+5V" at -24.599,44.4 h1.2
  text "GND" at -18.599,44.4 h1.2
  text "SDA" at -12.599,44.4 h1.2
  text "SCL" at -6.599,44.4 h1.2
  text "STEP" at 140.247,42.622 h1.2
  text "VIO" at 158.247,42.622 h1.2
  text "+5V" at -24.599,41.4 h1.2
  text "GND" at -18.599,41.4 h1.2
  text "SDA" at -12.599,41.4 h1.2
  text "SCL" at -6.599,41.4 h1.2
  text "+5V" at -24.599,38.4 h1.2
  text "GND" at -18.599,38.4 h1.2
  text "SDA" at -12.599,38.4 h1.2
  text "SCL" at -6.599,38.4 h1.2
  text "DIRECTION" at 139.248,37.622 h1.2
  text "GND" at 157.248,37.622 h1.2
  text "THERMISTOR" at -13.698,34.4 h1.2
  text "T0" at -17,31.4 h1.2
  text "GND" at -12.599,31.4 h1.2
  text "A15" at -6.5,31.4 h1.2
  text "STEPPER DRIVER SWITCHES" at 139,30.036 h1.2
  text "T1" at -16.8,28.4 h1.2
  text "GND" at -12.599,28.4 h1.2
  text "A14" at -6.5,28.4 h1.2
  text "HIGH" at 138.5,26.622 h1.2
  text "HIGH" at 148.5,26.622 h1.2
  text "HIGH" at 159,26.622 h1.2
  text "T2" at -17,25.4 h1.2
  text "GND" at -12.599,25.4 h1.2
  text "A13" at -6.5,25.4 h1.2
  text "->" at 145.37,24.238 h1.2 r89.62
  text "->" at 155.37,24.238 h1.2 r89.62
  text "->" at 165.87,24.238 h1.2 r89.62
  text "T3" at -17,22.4 h1.2
  text "GND" at -12.599,22.4 h1.2
  text "A12" at -6.5,22.4 h1.2
  text "->" at 141.63,21.762 h1.2 r269.62
  text "->" at 151.63,21.762 h1.2 r269.62
  text "->" at 162.13,21.762 h1.2 r269.62
  text "MS3" at 138.5,21.122 h1.2
  text "MS2" at 148.5,21.122 h1.2
  text "MS1" at 159,21.122 h1.2
  text "TB" at -17,19.4 h1.2
  text "GND" at -12.599,19.4 h1.2
  text "A11" at -6.3,19.4 h1.2
  text "LOW" at 138.5,16.122 h1.2
  text "LOW" at 148.5,16.122 h1.2
  text "LOW" at 159,16.122 h1.2
  text "USB" at -6.599,15.9 h1.2
  text "F2" at 102.065,15.146 h1
  text "F1" at 119.845,15.146 h1
  text "VBUS" at -7.199,12.9 h1.2
  text "DN" at -6,9.9 h1.2
  text "DP" at -6,6.9 h1.2
  text "GND" at -6.599,3.9 h1.2
  text "SHLD" at -7.199,0.9 h1.2
  text "EXP3" at 18.801,-2.6 h1.2
  text "HE0" at 48.901,-2.6 h1.2
  text "HE2" at 69.401,-2.6 h1.2
  text "JMP x3" at 84.101,-2.6 h1.2
  text "MAIN-PWR" at 97.501,-2.6 h1.2
  text "HB-PWR" at 112.101,-2.6 h1.2
  text "HB-OUT" at 125.601,-2.6 h1.2
  text "D30" at 1.401,-6.6 h1.2
  text "A9" at 20,-6.6 h1.2
  text "D4" at 26,-6.6 h1.2
  text "GND" at 31.401,-6.6 h1.2
  text "+12V" at 36.901,-6.6 h1.2
  text "+12V" at 85.401,-6.6 h1.2
  text "GND" at 97.401,-6.6 h1.2
  text "+VIN1" at 102.501,-6.6 h1.2
  text "GND" at 110.901,-6.6 h1.2
  text "+VIN2" at 115.801,-6.6 h1.2
  text "- / (D2)" at 44.747,-7.451 h1.2
  text "- / (D6)" at 59.247,-7.451 h1.2
  text "- / (D9)" at 123.347,-7.451 h1.2
  text "+ / (VIN1)" at 50.347,-7.678 h1.2
  text "+ / (VIN2)" at 128.747,-7.678 h1.2
  text "D14 / U3-TX" at 5.947,-7.878 h1.2
  text "D21 / SCL" at 13.147,-7.878 h1.2
  text "+VIN1 or +12V / (per JMP)" at 65.5,-8.903 h1.2
  text "HE1" at 49.1,-10.6 h1.2
  text "FAN0" at 68.801,-10.6 h1.2
  text "D31" at 1.6,-11.6 h1.2
  text "A10" at 19.5,-11.6 h1.2
  text "D5" at 26,-11.6 h1.2
  text "GND" at 31.401,-11.6 h1.2
  text "+5V" at 37.401,-11.6 h1.2
  text "<-" at 86.5,-11.6 h1.2
  text "D15 / U3-RX" at 5.947,-12.878 h1.2
  text "D20 / SDA" at 13.147,-12.878 h1.2
  text "- / (D3)" at 44.747,-15.451 h1.2
  text "- / (D7)" at 59.247,-15.451 h1.2
  text "+ / (VIN1)" at 50.347,-15.678 h1.2
  text "NOTES:" at 99.754,-16.246 h1.2
  text "+VIN1" at 85.001,-16.6 h1.2
  text "+VIN1 or +12V / (per JMP)" at 65.5,-16.903 h1.2
  text "FAN1" at 69.001,-18.6 h1.2
  text "Dx = ARDUINO PIN NUMBERING" at 99.754,-18.746 h1.2
  text "- / (D8)" at 59.247,-23.451 h1.2
  text "RUMBA+ .ProjectStringVersion" at 143.421,-24.146 h2
  text "+VIN1 or +12V / (per JMP)" at 65.5,-24.903 h1.2
  text "PINOUT DRAWING" at 143.088,-27 h2

## Dimensions
131.021,39.225 to 3.773,71.325 on Mechanical 2
131.021,39.225 to 131.275,3.614 on Mechanical 2
3.773,71.325 to 131.021,39.225 on Mechanical 2
3.665,3.843 to 3.773,71.325 on Mechanical 2
0,75 to 135,75 on Mechanical 2
0,75 to 0,0 on Mechanical 2

## Text inside footprints (layer, text, board x,y; h text height)
E0: Mechanical 15 "Vmot" at 99.579,61.956 h0.61; Mechanical 15 "GND" at 99.579,59.388 h0.61; Mechanical 15 "2B" at 99.579,56.82 h0.61; Mechanical 15 "2A" at 99.579,54.253 h0.61; Mechanical 15 "1A" at 99.579,51.685 h0.61; Mechanical 15 "1B" at 99.579,49.117 h0.61; Mechanical 15 "VDD" at 99.579,46.549 h0.61; Mechanical 15 "GND" at 99.579,43.981 h0.61; Mechanical 15 "EN" at 91.544,61.866 h0.61; Mechanical 15 "MS1" at 91.544,59.326 h0.61; Mechanical 15 "MS2" at 91.544,56.786 h0.61; Mechanical 15 "MS3" at 91.544,54.246 h0.61; Mechanical 15 "RST" at 91.544,51.706 h0.61; Mechanical 15 "SLP" at 91.544,49.166 h0.61; Mechanical 15 "STEP" at 91.544,46.626 h0.61; Mechanical 15 "DIR" at 91.544,44.086 h0.61
E1: Mechanical 15 "DIR" at 106.802,44.086 h0.61; Mechanical 15 "STEP" at 106.802,46.626 h0.61; Mechanical 15 "SLP" at 106.802,49.166 h0.61; Mechanical 15 "RST" at 106.802,51.706 h0.61; Mechanical 15 "MS3" at 106.802,54.246 h0.61; Mechanical 15 "MS2" at 106.802,56.786 h0.61; Mechanical 15 "MS1" at 106.802,59.326 h0.61; Mechanical 15 "EN" at 106.802,61.866 h0.61; Mechanical 15 "GND" at 114.837,43.981 h0.61; Mechanical 15 "VDD" at 114.837,46.549 h0.61; Mechanical 15 "1B" at 114.837,49.117 h0.61; Mechanical 15 "1A" at 114.837,51.685 h0.61; Mechanical 15 "2A" at 114.837,54.253 h0.61; Mechanical 15 "2B" at 114.837,56.82 h0.61; Mechanical 15 "GND" at 114.837,59.388 h0.61; Mechanical 15 "Vmot" at 114.837,61.956 h0.61
E2: Mechanical 15 "Vmot" at 130.096,61.956 h0.61; Mechanical 15 "GND" at 130.096,59.388 h0.61; Mechanical 15 "2B" at 130.096,56.82 h0.61; Mechanical 15 "2A" at 130.096,54.253 h0.61; Mechanical 15 "1A" at 130.096,51.685 h0.61; Mechanical 15 "1B" at 130.096,49.117 h0.61; Mechanical 15 "VDD" at 130.096,46.549 h0.61; Mechanical 15 "GND" at 130.096,43.981 h0.61; Mechanical 15 "EN" at 122.061,61.866 h0.61; Mechanical 15 "MS1" at 122.061,59.326 h0.61; Mechanical 15 "MS2" at 122.061,56.786 h0.61; Mechanical 15 "MS3" at 122.061,54.246 h0.61; Mechanical 15 "RST" at 122.061,51.706 h0.61; Mechanical 15 "SLP" at 122.061,49.166 h0.61; Mechanical 15 "STEP" at 122.061,46.626 h0.61; Mechanical 15 "DIR" at 122.061,44.086 h0.61
X: Mechanical 15 "Vmot" at 53.804,61.956 h0.61; Mechanical 15 "GND" at 53.804,59.388 h0.61; Mechanical 15 "2B" at 53.804,56.821 h0.61; Mechanical 15 "2A" at 53.804,54.253 h0.61; Mechanical 15 "1A" at 53.804,51.685 h0.61; Mechanical 15 "1B" at 53.804,49.117 h0.61; Mechanical 15 "VDD" at 53.804,46.549 h0.61; Mechanical 15 "GND" at 53.804,43.981 h0.61; Mechanical 15 "EN" at 45.769,61.866 h0.61; Mechanical 15 "MS1" at 45.769,59.326 h0.61; Mechanical 15 "MS2" at 45.769,56.786 h0.61; Mechanical 15 "MS3" at 45.769,54.246 h0.61; Mechanical 15 "RST" at 45.769,51.706 h0.61; Mechanical 15 "SLP" at 45.769,49.166 h0.61; Mechanical 15 "STEP" at 45.769,46.626 h0.61; Mechanical 15 "DIR" at 45.769,44.086 h0.61
Y: Mechanical 15 "DIR" at 61.027,44.086 h0.61; Mechanical 15 "STEP" at 61.027,46.626 h0.61; Mechanical 15 "SLP" at 61.027,49.166 h0.61; Mechanical 15 "RST" at 61.027,51.706 h0.61; Mechanical 15 "MS3" at 61.027,54.246 h0.61; Mechanical 15 "MS2" at 61.027,56.786 h0.61; Mechanical 15 "MS1" at 61.027,59.326 h0.61; Mechanical 15 "EN" at 61.027,61.866 h0.61; Mechanical 15 "GND" at 69.062,43.981 h0.61; Mechanical 15 "VDD" at 69.062,46.549 h0.61; Mechanical 15 "1B" at 69.062,49.117 h0.61; Mechanical 15 "1A" at 69.062,51.685 h0.61; Mechanical 15 "2A" at 69.062,54.253 h0.61; Mechanical 15 "2B" at 69.062,56.821 h0.61; Mechanical 15 "GND" at 69.062,59.388 h0.61; Mechanical 15 "Vmot" at 69.062,61.956 h0.61
Z: Mechanical 15 "DIR" at 76.286,44.086 h0.61; Mechanical 15 "STEP" at 76.286,46.626 h0.61; Mechanical 15 "SLP" at 76.286,49.166 h0.61; Mechanical 15 "RST" at 76.286,51.706 h0.61; Mechanical 15 "MS3" at 76.286,54.246 h0.61; Mechanical 15 "MS2" at 76.286,56.786 h0.61; Mechanical 15 "MS1" at 76.286,59.326 h0.61; Mechanical 15 "EN" at 76.286,61.866 h0.61; Mechanical 15 "GND" at 84.321,43.981 h0.61; Mechanical 15 "VDD" at 84.321,46.549 h0.61; Mechanical 15 "1B" at 84.321,49.117 h0.61; Mechanical 15 "1A" at 84.321,51.685 h0.61; Mechanical 15 "2A" at 84.321,54.253 h0.61; Mechanical 15 "2B" at 84.321,56.821 h0.61; Mechanical 15 "GND" at 84.321,59.388 h0.61; Mechanical 15 "Vmot" at 84.321,61.956 h0.61